# Allegro board buddy_lay_rev1.brd (continued)
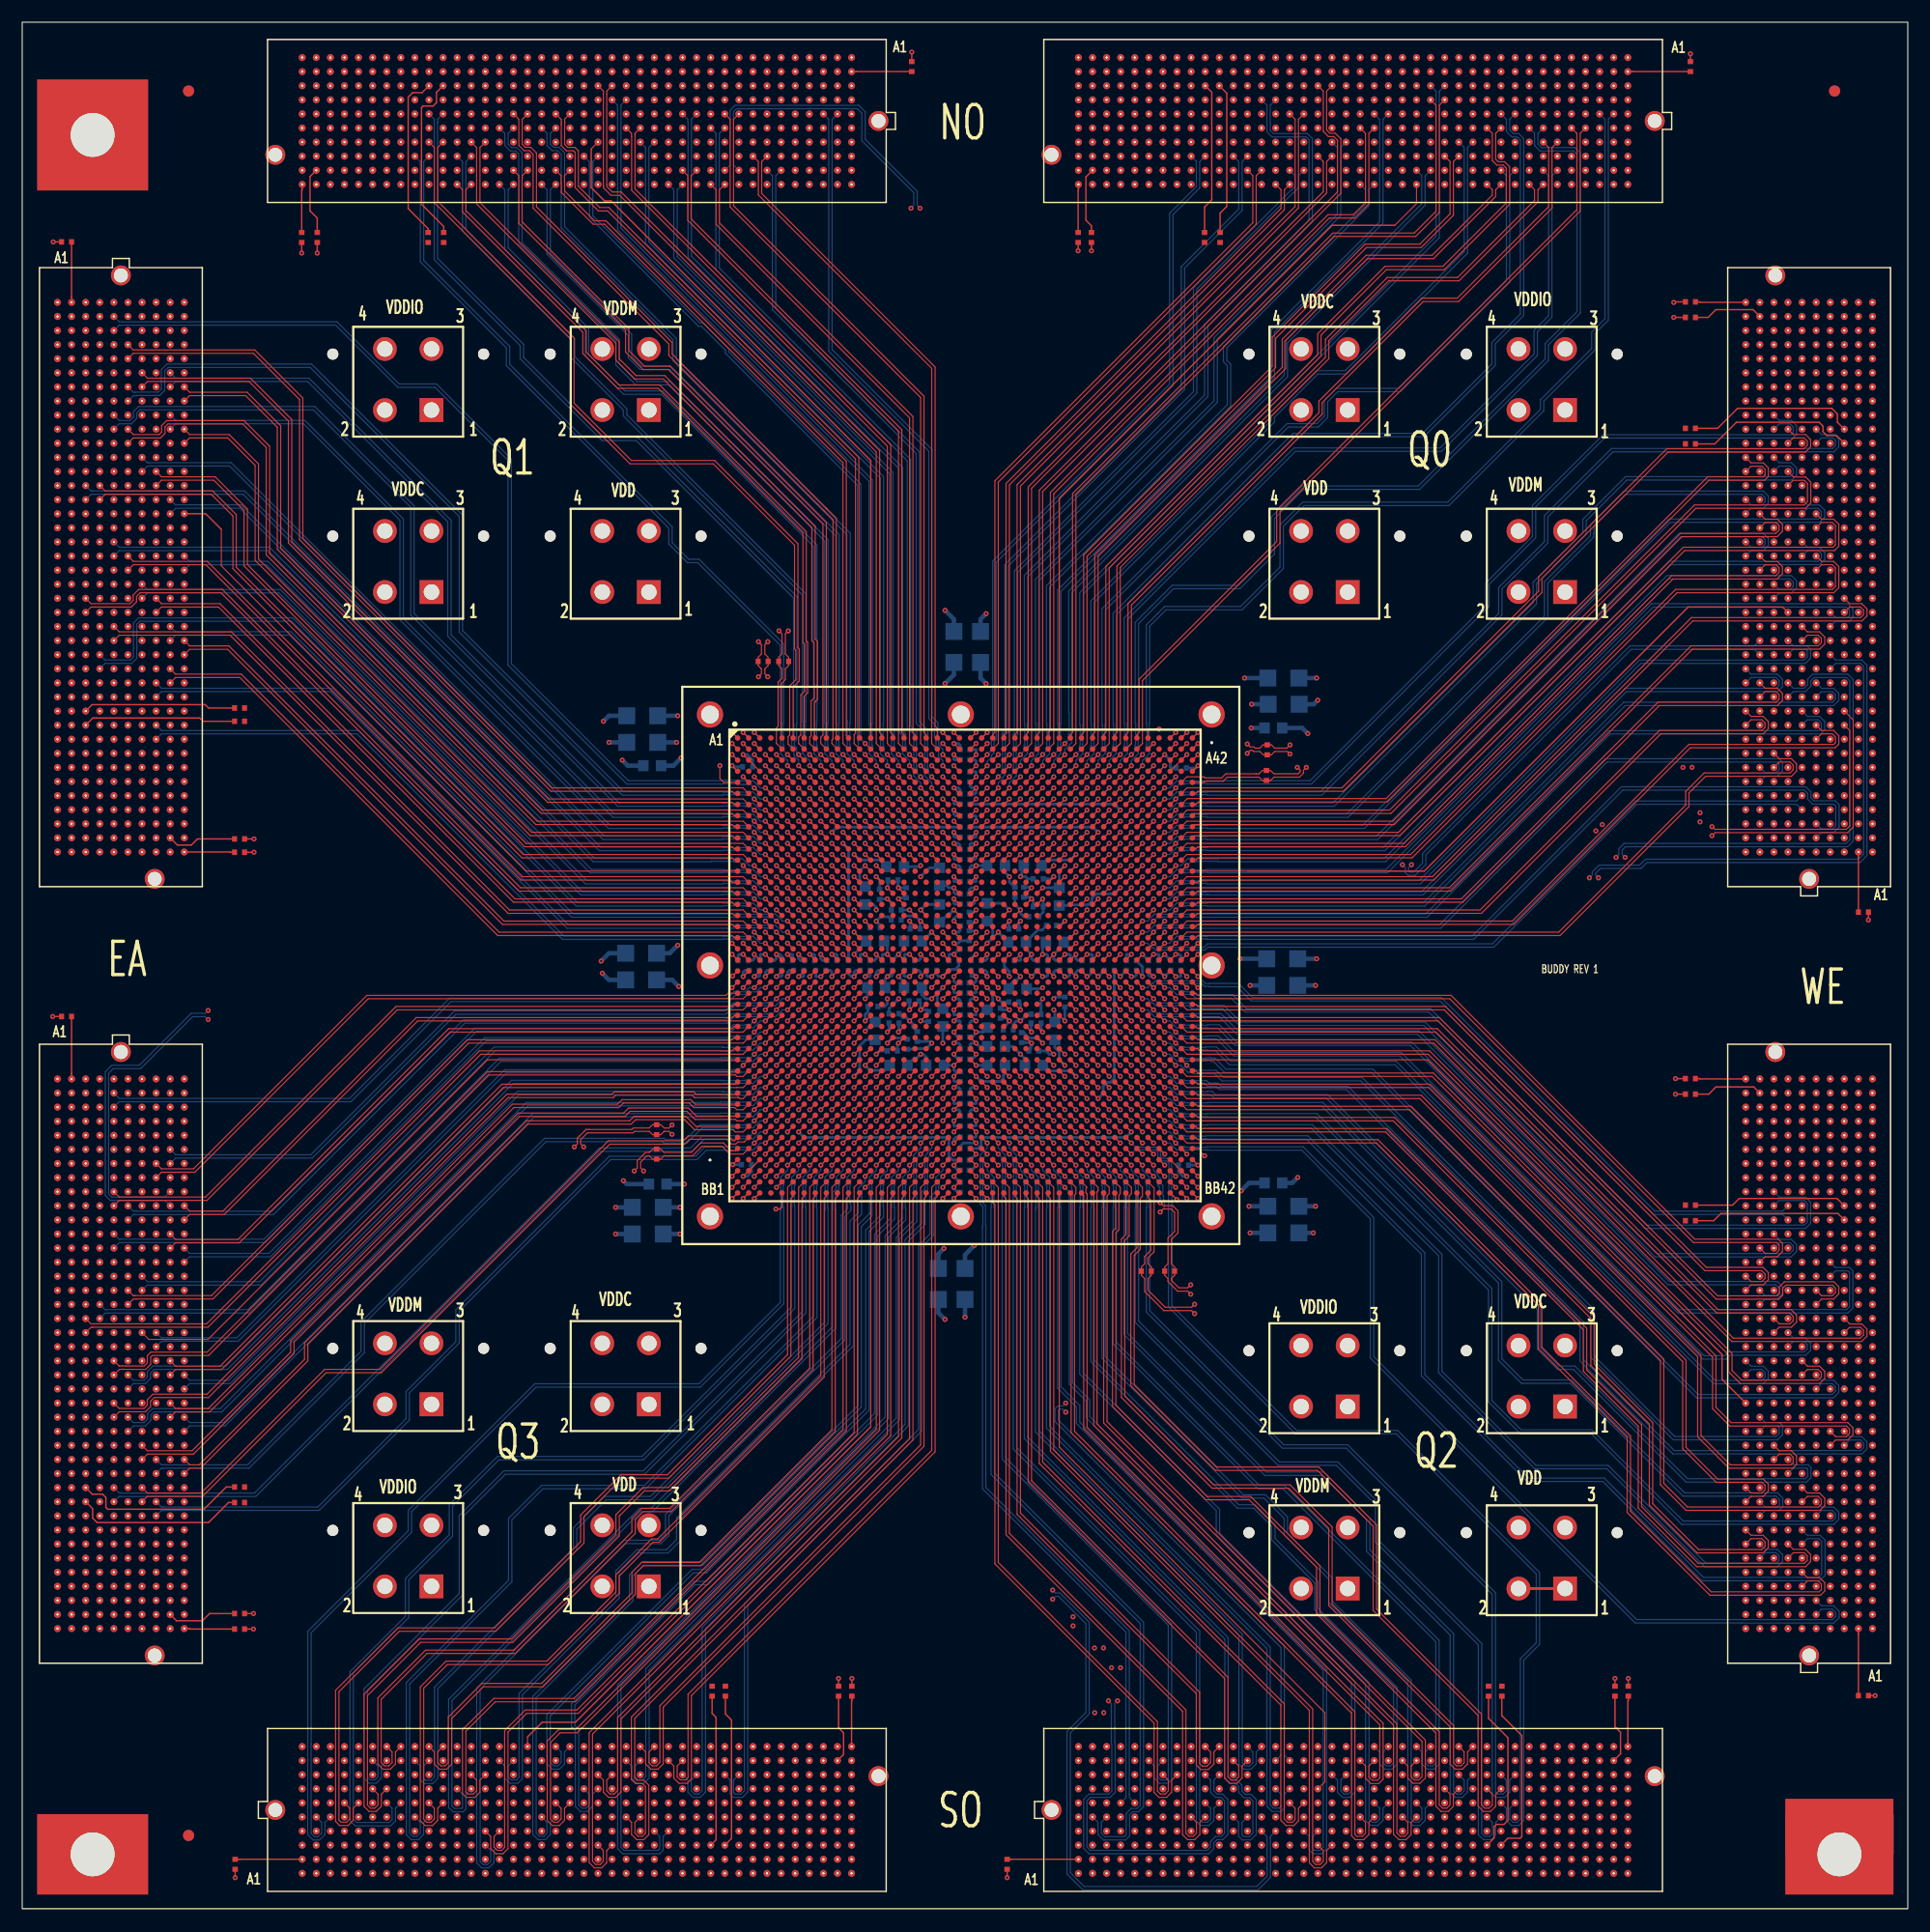
[diagram p0: board, top side]
## Routing (per net, layer and track width the routed paths; a pad name or vN(x,y) marks a point on that pad's centre or on a via; arc(x,y) is an arc through that point) (continued)
  SIGNAL_L12 w0.081: J6.H10 37.14,11.61 37.14,10.75 37.16,10.74 37.16,10.48 37.62,10.02 38.27,10.02 38.75,10.5 38.75,30.23 39.6,31.08 39.6,35.35 46.3,42.05 66.97,42.05 72.67,47.75 72.67,62.66 72.63,62.7 72.63,67.15 72.63,67.16 72.63,67.2 72.67,67.23 72.67,67.67 v1(73,68)
SO_P115: length 83.9
  TOP w0.127: U1.AT10 v1(73,70)
  SIGNAL_L3 w0.081: v1(73,70) 72.66,69.66 72.66,69.22 72.63,69.19 72.63,62.65 72.66,62.62 72.66,50.9 57.79,36.02 51.19,36.02 49.83,34.66 49.83,31.91 37.46,19.55 37.46,9.21 37,8.75 36.35,8.75 35.87,9.22 35.87,10.34 35.4,10.8
SO_P116: length 80
  TOP w0.102: U1.BB9 72.5,64.2 72.3,64 72.3,47.9 57.42,33.02 56.87,33.02 53.83,29.98 53.83,28.42 47.41,22 38.33,22 36.2,19.87 36.2,8.05 36.45,7.8 36.87,7.8 37.16,8.09 37.16,9.05 J6.F10
SO_P117: length 83.6
  TOP w0.127: U1.AY9 v1(72,66)
  BOTTOM w0.102: v1(72,66) 71.68,65.68 71.68,65.22 71.62,65.16 71.62,63.2 71.65,63.17 71.65,53.27 56.23,37.85 46.95,37.85 44.15,35.04 44.15,29.47 34.94,20.25 34.94,6.8 35.21,6.53 35.6,6.53 35.89,6.82 35.89,7.78 35.4,8.27
SO_P118: length 88.6
  TOP w0.127: U1.AV9 v1(72,68)
  SIGNAL_L3 w0.081: J6.D8 34.6,6.53 34.6,5.55 34.32,5.27 33.94,5.27 33.68,5.54 33.68,8.48 33.94,8.75 34.46,8.75 34.95,9.23 34.95,19.83 45.03,29.91 45.03,36.26 46.19,37.42 57.09,37.42 71.66,52 71.66,60.54 71.63,60.58 71.63,67.19 71.66,67.22 71.66,67.66 v1(72,68)
SO_P119: length 99.2
  TOP w0.127: U1.AT9 v1(72,70)
  SIGNAL_L12 w0.081: 36.67,5.72 37.13,5.27 37.13,4.27 36.86,4 36.48,4 36.22,4.27 36.22,25.59 35.08,26.73 35.08,36.46 41.84,43.22 66.04,43.22 71.67,48.85 71.67,64.61 71.63,64.65 71.63,69.15 71.63,69.16 71.63,69.2 71.67,69.23 71.67,69.67 v1(72,70)
SO_P120: length 76.5
  TOP w0.102: J6.K7 33.35,14.13 33.35,13.17 33.06,12.88 32.65,12.88 32.37,13.16 32.37,18.87 36.5,23 44.45,23 55.27,33.82 55.27,35.06 55.99,35.78 58.51,35.78 71.3,48.57 71.3,64 71.5,64.2 U1.BB8
SO_P121: length 81.6
  TOP w0.127: U1.AY8 v1(71,66)
  BOTTOM w0.102: v1(71,66) 70.68,65.68 70.68,65.22 70.62,65.16 70.62,63.2 70.65,63.17 70.65,53.68 56.12,39.15 43.55,39.15 39.7,35.3 39.7,28.27 31.13,19.69 31.13,11.88 31.4,11.61 31.79,11.61 32.08,11.9 32.08,12.86 31.59,13.35
SO_P122: length 83
  TOP w0.127: U1.AV8 v1(71,68)
  SIGNAL_L3 w0.081: v1(71,68) 70.66,67.66 70.66,67.22 70.63,67.19 70.63,60.65 70.66,60.62 70.66,53.4 56.52,39.25 46.12,39.25 43.78,36.91 43.78,31.21 32.41,19.84 32.41,10.59 32.65,10.35 33.05,10.35 33.33,10.63 33.33,11.61 J6.H7
SO_P123: length 80.5
  TOP w0.102: 31.59,10.8 32.08,10.32 32.08,9.36 31.79,9.07 31.4,9.07 31.13,9.34 31.13,19.19 35.93,24 44.23,24 53.83,33.6 53.83,35.38 56.1,37.65 58.38,37.65 70.3,49.57 70.3,64 70.5,64.2 U1.BB7
SO_P124: length 88.4
  TOP w0.127: U1.AY7 v1(70,66)
  BOTTOM w0.102: v1(70,66) 69.68,65.68 69.68,65.22 69.62,65.16 69.62,63.33 69.65,63.29 69.65,54.1 56,40.45 42.98,40.45 38.8,36.27 38.8,33.57 34.85,29.62 34.85,26.22 29.85,21.22 29.85,8.07 30.16,7.77 33.09,7.77 33.35,8.03 33.35,9.05 J6.F7
SO_P125: length 87.2
  TOP w0.127: U1.AV7 v1(70,68)
  SIGNAL_L3 w0.081: v1(70,68) 69.66,67.66 69.66,67.22 69.63,67.19 69.63,60.58 69.66,60.54 69.66,55.3 56.09,41.72 45.24,41.72 39.5,35.98 39.5,28.68 31.11,20.3 31.11,6.83 31.4,6.54 31.78,6.54 32.06,6.82 32.06,7.8 31.59,8.27
SO_P126: length 83.9
  TOP w0.102: J6.F4 29.54,9.05 29.54,8.09 29.25,7.8 28.75,7.8 28.56,7.99 28.56,19.56 34,25 42.7,25 50.65,32.95 50.65,35.35 54.1,38.8 58.3,38.8 69.3,49.8 69.3,64 69.5,64.2 U1.BB6
SO_P127: length 89.3
  TOP w0.127: U1.AY6 v1(69,66)
  BOTTOM w0.102: v1(69,66) 68.68,65.68 68.68,65.22 68.62,65.16 68.62,63.2 68.65,63.17 68.65,54.51 61.14,47 46.33,47 35.1,35.77 35.1,33.92 26.05,24.87 26.05,14.82 26.05,14.81 26.05,6.8 26.35,6.5 26.68,6.5 27,6.82 27,7.78 26.51,8.27
SO_VADJ0: length 9.1
  TOP w0.127: R120.2 v1(73.6,20.75) ; R121.2 v1(74.8,20.75)
  PWR_L7 w0.254: 73.5,7.79 J6.E39 ; J6.E39 73.5,8.74 ; J6.E39 73.03,8.27 ; J6.E39 73.98,8.27 ; J6.G39 73.98,10.8 ; J6.G39 73.03,10.8 ; J6.G39 73.5,11.28 ; J6.G39 73.5,10.33 ; 74.77,12.07 75.25,12.07 ; 74.77,12.07 74.77,12.55 ; 74.77,12.07 74.77,11.6 ; 74.77,12.07 74.3,12.07 ; 74.77,9.54 75.25,9.54 ; 74.77,9.54 74.77,10.01 ; 74.77,9.54 74.77,9.06 ; 74.77,9.54 74.3,9.54
SO_VADJ1: length 9.1
  TOP w0.127: R125.2 v1(143.6,20.75) ; R126.2 v1(144.8,20.75)
  PWR_L7 w0.254: J5.G39 143.49,11.28 ; J5.G39 143.96,10.8 ; J5.G39 143.49,10.33 ; J5.G39 143.01,10.8 ; 143.49,7.79 J5.E39 ; J5.E39 143.01,8.27 ; J5.E39 143.96,8.27 ; J5.E39 143.49,8.74 ; 144.76,9.54 145.23,9.54 ; 144.76,9.54 144.76,9.06 ; 144.76,9.54 144.76,10.01 ; 144.76,9.54 144.28,9.54 ; 144.76,12.07 145.23,12.07 ; 144.76,12.07 144.76,11.6 ; 144.76,12.07 144.28,12.07 ; 144.76,12.07 144.76,12.55
WE_3P3V: length 16.6
  TOP w0.127: R134.2 v1(167.05,19.2) ; R129.2 v1(166.45,89.1)
  PWR_L8 w0.254: J3.D36 163.48,139.68 ; J3.D36 162.53,139.68 ; J3.D36 163,139.2 ; J3.D36 163,140.15 ; 163,69.22 J4.D36 ; J4.D36 163.48,69.69 ; J4.D36 163,70.17 ; J4.D36 162.53,69.69 ; 163.8,73.5 J4.C39 ; J4.C39 164.28,73.03 ; J4.C39 164.28,73.98 ; J4.C39 164.75,73.5 ; J3.C39 164.28,143.96 ; J3.C39 164.28,143.01 ; J3.C39 163.8,143.49 ; J3.C39 164.75,143.49 ; 163,144.28 J3.D40 ; J3.D40 163.48,144.76 ; J3.D40 163,145.23 ; J3.D40 162.53,144.76 ; 163,74.3 J4.D40 ; J4.D40 162.53,74.77 ; J4.D40 163,75.25 ; J4.D40 163.48,74.77 ; J3.D38 163.48,142.22 ; J3.D38 162.53,142.22 ; J3.D38 163,141.74 ; J3.D38 163,142.69 ; 162.53,72.23 J4.D38 ; J4.D38 163,71.76 ; J4.D38 163.48,72.23 ; J4.D38 163,72.71
WE_12P0V: length 7.7
  PWR_L7 w0.254: 163.8,138.41 J3.C35 ; J3.C35 164.28,138.88 ; J3.C35 164.75,138.41 ; J3.C35 164.28,137.93 ; 163.8,70.96 J4.C37 ; J4.C37 164.28,70.49 ; J4.C37 164.75,70.96 ; J4.C37 164.28,71.44 ; J4.C35 164.28,68.9 ; J4.C35 164.75,68.42 ; J4.C35 164.28,67.95 ; J4.C35 163.8,68.42 ; J3.C37 164.75,140.95 ; J3.C37 164.28,140.47 ; J3.C37 163.8,140.95 ; J3.C37 164.28,141.42
WE_CTRL0: length 177.4
  TOP w0.102: v1(106.6,67.85) 106.25,68.2 106.25,68.4 106.15,68.5 U1.AV42
  SIGNAL_L5 w0.081: 110.5,67.85 v1(106.6,67.85)
  SIGNAL_L5 w0.083: J3.J30 157.3,132.7 166.9,132.7 167.27,132.33 167.27,42.83 166.9,42.46 135.19,42.46 132.9,44.75 132.9,51.6 116.65,67.85 110.5,67.85
WE_CTRL1: length 183.4
  TOP w0.127: U1.AV41 v1(105,68)
  SIGNAL_L5 w0.081: 110.5,67.1 106.6,67.1 105.7,68 v1(105,68)
  SIGNAL_L5 w0.083: J3.K31 156.06,134 166.9,134 167.74,133.16 167.74,42.03 166.76,41.05 135.5,41.05 132.3,44.25 132.3,51.54 116.74,67.1 110.5,67.1
WE_CTRL2: length 186.1
  TOP w0.127: U1.AV40 v1(104,68)
  SIGNAL_L5 w0.081: v1(104,68) 103.6,67.6 103.6,65.7 103.9,65.4 110.5,65.4
  SIGNAL_L5 w0.083: 161.74,135.87 162.32,136.45 167.1,136.45 168.66,134.89 168.66,40.41 166.85,38.6 135.95,38.6 126.7,47.85 126.7,54.05 115.35,65.4 110.5,65.4
WE_CTRL3: length 185.2
  TOP w0.127: U1.AV39 v1(103,68)
  SIGNAL_L5 w0.081: v1(103,68) 103.55,68.55 104.2,68.55 104.5,68.25 104.5,66.85 104.9,66.45 110.5,66.45
  SIGNAL_L5 w0.083: J3.F34 161.05,136.55 161.05,135.7 161.6,135.15 166.91,135.15 168.2,133.86 168.2,41.22 166.98,40 135.5,40 127.4,48.1 127.4,54.4 115.35,66.45 110.5,66.45
WE_HS_C2M_N0: length 116.9
  TOP w0.102: v1(115.77,102.85) 115.52,102.59 115.52,102.32 115.16,101.97 112.85,101.97 112.55,101.67 R97.1 111.81,101.67 111.51,101.97 111.37,101.97 111.37,101.97 108.64,101.97 108.27,101.6 106.64,101.6 106.54,101.5 U1.E42
  SIGNAL_L12 w0.081: J3.C2 164.74,96.97 167.48,96.97 168.49,97.98 168.49,129.47 167.66,130.3 147.34,130.3 136.65,119.61 136.65,116.26 121.17,100.78 116.05,100.78 115.53,101.3 115.53,102.61 v1(115.77,102.85)
WE_HS_C2M_P0: length 117.1
  TOP w0.102: U1.E41 105,102 106.54,102 106.64,101.9 108.14,101.9 108.51,102.27 111.24,102.27 111.24,102.27 111.51,102.27 111.81,102.57 R97.2 112.55,102.57 112.85,102.27 115.03,102.27 115.21,102.45 115.21,102.59 v1(114.96,102.85)
  SIGNAL_L12 w0.081: v1(114.96,102.85) 115.2,102.61 115.2,101.16 115.91,100.45 121.31,100.45 136.98,116.12 136.98,119.47 147.48,129.97 167.52,129.97 168.16,129.33 168.16,98.11 167.35,97.3 164.74,97.3 J3.C3
WE_HS_M2C_N0: length 115.2
  TOP w0.102: v1(110.45,104.12) 110.72,104.39 110.92,104.39 111.03,104.28 111.58,104.28 111.88,103.98 R98.1 112.62,103.98 112.92,104.28 114.08,104.28 v1(114.3,104.06)
  TOP w0.127: U1.E40 v1(104,102)
  SIGNAL_L3 w0.081: v1(110.45,104.12) 110.19,104.37 109.33,104.37 108.29,103.34 106.23,103.34 106.19,103.37 103.85,103.37 103.63,103.15 103.63,102.63 103.67,102.59 103.67,102.33 v1(104,102) ; J3.C7 164.74,102.38 165.77,102.38 166.01,102.62 166.01,105.7 166.49,106.17 167.02,106.17 168.21,107.36 168.21,131.94 167.63,132.52 153.32,132.52 147.77,126.97 147.77,122.06 130.01,104.3 114.54,104.3 v1(114.3,104.06)
WE_HS_M2C_P0: length 116.8
  TOP w0.102: v1(110.45,104.96) 110.72,104.69 111.05,104.69 111.15,104.58 111.58,104.58 111.88,104.88 R98.2 112.62,104.88 112.92,104.58 114.01,104.58 v1(114.3,104.87)
  TOP w0.127: U1.E39 v1(103,102)
  SIGNAL_L3 w0.081: v1(114.3,104.87) 114.54,104.63 129.87,104.63 147.44,122.2 147.44,127.11 153.18,132.85 167.77,132.85 168.54,132.08 168.54,107.22 167.16,105.84 166.63,105.84 166.34,105.56 166.34,102.48 165.9,102.05 164.74,102.05 J3.C6 ; v1(103,102) 103.34,102.34 103.34,102.59 103.37,102.63 103.37,103.26 103.74,103.63 106.19,103.63 106.23,103.67 108.16,103.67 109.19,104.7 110.19,104.7 v1(110.45,104.96)
WE_N0: length 75.9
  TOP w0.127: U1.F40 v1(104,101)
  BOTTOM w0.102: v1(104,101) 104.32,101.32 104.78,101.32 104.84,101.38 106.8,101.38 106.83,101.35 116.23,101.35 132.25,117.37 132.25,119.34 136.46,123.54 136.46,126.32 142.66,132.52 159.64,132.52 159.97,132.85 159.97,133.65 159.5,134.11 158.41,134.11 J3.H32
WE_N1: length 72.5
  TOP w0.102: U1.F42 105.8,100.5 106,100.7 119.11,100.7 137.01,118.6 137.01,119.88 148.39,131.25 160.76,131.25 161.24,131.74 161.24,132.38 160.77,132.84 159.68,132.84 J3.G31
WE_N2: length 78
  TOP w0.127: U1.G38 v1(102,100)
  SIGNAL_L12 w0.081: v1(102,100) 102.33,100.33 102.77,100.33 102.8,100.37 102.84,100.37 102.85,100.37 107.3,100.37 107.34,100.33 109.24,100.33 114.15,105.24 114.21,105.24 129.19,120.22 133.45,120.22 148.3,135.07 161.91,135.07 162.19,134.79 162.19,134.41 161.91,134.13 160.93,134.13 J3.F32
WE_N3: length 79.5
  TOP w0.127: U1.G40 v1(104,100)
  BOTTOM w0.102: 161.74,133.33 162.22,132.84 163.37,132.84 163.78,132.43 163.78,131.74 163.33,131.28 143.41,131.28 137.54,125.41 137.54,123.06 133.41,118.93 133.41,116.59 117.17,100.35 106.83,100.35 106.8,100.38 104.84,100.38 104.78,100.32 104.32,100.32 v1(104,100)
WE_N4: length 67.4
  TOP w0.102: U1.G42 105.8,99.5 106.04,99.74 123.09,99.74 152.08,128.73 157.09,128.73 157.43,129.07 157.43,129.84 156.98,130.29 155.88,130.29 J3.K29
WE_N5: length 91.3
  TOP w0.127: U1.H38 v1(102,99)
  SIGNAL_L3 w0.081: v1(102,99) 102.34,99.34 102.78,99.34 102.81,99.37 109.35,99.37 109.38,99.34 112.7,99.34 114.59,101.22 133.72,101.22 144.7,112.21 163.32,112.21 163.82,112.7 163.82,119.79 163.44,120.17 161.55,120.17 161.28,120.44 161.28,128.58 160.82,129.03 157.6,129.03 157.59,129.02 157.32,129.02 157.14,129.03 J3.J28
WE_N6: length 74.1
  TOP w0.127: U1.H40 v1(104,99)
  BOTTOM w0.102: J3.H29 158.41,130.3 159.5,130.3 159.97,129.84 159.97,129.2 159.52,128.74 144.67,128.74 141,125.07 141,123.88 136.52,119.4 136.52,117.57 118.3,99.35 106.83,99.35 106.8,99.38 104.84,99.38 104.78,99.32 104.32,99.32 v1(104,99)
WE_N7: length 71.8
  TOP w0.102: U1.H42 105.7,98.7 123.4,98.7 150.9,126.2 160.78,126.2 161.26,126.67 161.26,128.55 160.79,129.02 159.69,129.02 J3.G28
WE_N8: length 81.2
  TOP w0.127: U1.J36 v1(100,98)
  SIGNAL_L5 w0.081: J3.F29 160.92,130.33 161.92,130.33 162.22,130.62 162.22,131.08 162.05,131.25 155.32,131.25 155.31,131.24 155.2,131.24 154.93,130.98 154.93,130.86 124.4,100.33 110.36,100.33 110.29,100.41 105.76,100.41 105.73,100.37 99.85,100.37 99.63,100.15 99.63,98.77 99.67,98.73 99.67,98.33 v1(100,98)
WE_N9: length 79.2
  TOP w0.127: U1.J38 v1(102,98)
  SIGNAL_L5 w0.081: v1(102,98) 101.67,98.33 101.67,98.64 101.63,98.68 101.63,99.15 101.85,99.37 105.62,99.37 105.65,99.33 124.85,99.33 152.97,127.46 163.33,127.46 163.79,127.92 163.79,128.57 163.61,128.76 163.32,129.05 162.2,129.05 161.74,129.52
WE_N10: length 71
  TOP w0.127: U1.J40 v1(104,98)
  BOTTOM w0.102: J3.K26 155.87,126.49 156.83,126.49 157.12,126.78 157.12,127.17 156.85,127.44 144.54,127.44 141.7,124.6 141.7,123.9 141.69,123.89 141.69,123.6 137.54,119.46 137.54,116.35 119.54,98.35 106.83,98.35 106.8,98.38 104.84,98.38 104.78,98.32 104.32,98.32 v1(104,98)
WE_N11: length 67.3
  TOP w0.102: J3.J25 157.15,125.21 158.25,125.21 158.7,124.76 158.7,124.12 158.22,123.63 149.63,123.63 123.7,97.7 105.7,97.7 U1.J42
WE_N12: length 108.7
  TOP w0.127: U1.K36 v1(100,97)
  SIGNAL_L3 w0.081: J3.H26 158.38,126.52 159.38,126.52 159.68,126.81 159.68,127.25 159.49,127.43 156.27,127.43 155.87,127.83 155.87,129.97 156.2,130.3 162.06,130.3 162.52,129.84 162.52,121.72 162.83,121.41 164.6,121.41 165.06,120.95 165.06,110.14 164.58,109.65 144.67,109.65 134.39,99.37 115.19,99.37 113.15,97.34 107.38,97.34 107.35,97.37 100.81,97.37 100.78,97.34 100.34,97.34 v1(100,97)
WE_N13: length 90.6
  TOP w0.127: U1.K38 v1(102,97)
  SIGNAL_L12 w0.081: J3.G25 159.66,125.24 166.99,125.24 167.37,125.61 167.37,128.34 167,128.7 154.57,128.7 123.2,97.33 107.34,97.33 107.3,97.37 102.85,97.37 102.84,97.37 102.8,97.37 102.77,97.33 102.33,97.33 v1(102,97)
WE_N14: length 74.1
  TOP w0.127: U1.K40 v1(104,97)
  BOTTOM w0.102: v1(104,97) 104.32,97.32 104.78,97.32 104.84,97.38 106.8,97.38 106.83,97.35 121,97.35 148.58,124.93 162.05,124.93 162.51,125.39 162.51,126.03 162.04,126.49 160.95,126.49 J3.F26
WE_N15: length 73.6
  TOP w0.102: U1.K42 105.7,96.7 124.2,96.7 149.89,122.39 163.39,122.39 163.78,122.78 163.78,124.76 163.31,125.22 162.22,125.22 161.74,125.71
WE_N16: length 94.6
  TOP w0.127: U1.L36 v1(100,96)
  SIGNAL_L3 w0.081: J3.D27 163.49,127.76 165.87,127.76 166.33,127.3 166.33,108.87 165.85,108.38 147.2,108.38 136.89,98.07 115.79,98.07 114.05,96.34 107.42,96.34 107.38,96.37 100.81,96.37 100.78,96.34 100.34,96.34 v1(100,96)
WE_N17: length 80.9
  TOP w0.127: U1.L38 v1(102,96)
  SIGNAL_L12 w0.081: J3.C27 164.74,127.78 165.86,127.78 166.33,127.3 166.33,126.65 165.85,126.16 153.68,126.16 123.85,96.33 107.34,96.33 107.3,96.37 102.85,96.37 102.84,96.37 102.8,96.37 102.77,96.33 102.33,96.33 v1(102,96)
WE_N18: length 67.9
  TOP w0.127: U1.L40 v1(104,96)
  BOTTOM w0.102: v1(104,96) 104.32,96.32 104.78,96.32 104.84,96.38 106.8,96.38 106.83,96.35 122.22,96.35 149.51,123.63 156.85,123.63 157.12,123.36 157.12,122.97 156.83,122.68 155.87,122.68 J3.K23
WE_N19: length 66.6
  TOP w0.102: J3.J22 157.15,121.4 158.25,121.4 158.7,120.95 158.7,120.31 158.22,119.83 148.83,119.83 124.7,95.7 106,95.7 105.8,95.5 U1.L42
WE_N20: length 125.7
  TOP w0.127: U1.M36 v1(100,95)
  SIGNAL_L3 w0.081: v1(100,95) 100.34,95.34 100.78,95.34 100.81,95.37 107.35,95.37 107.38,95.34 120.4,95.34 122.19,97.12 138.07,97.12 148.09,107.14 167.14,107.14 167.6,107.6 167.6,131.11 167.14,131.58 154.93,131.58 154.55,131.2 154.55,124 154.9,123.65 159.47,123.65 159.68,123.44 159.68,122.74 159.64,122.71 158.38,122.71 J3.H23
WE_N21: length 73.6
  TOP w0.127: U1.M38 v1(102,95)
  SIGNAL_L12 w0.081: J3.G22 159.66,121.43 160.78,121.43 161.25,120.95 161.25,120.3 160.79,119.84 149.51,119.84 125.01,95.33 107.34,95.33 107.3,95.37 102.85,95.37 102.84,95.37 102.8,95.37 102.77,95.33 102.33,95.33 v1(102,95)
WE_N22: length 73.3
  TOP w0.127: U1.M40 v1(104,95)
  BOTTOM w0.102: J3.F23 160.95,122.68 162.04,122.68 162.51,122.22 162.51,121.58 162.05,121.12 148.63,121.12 122.86,95.35 106.83,95.35 106.8,95.38 104.84,95.38 104.78,95.32 104.32,95.32 v1(104,95)
WE_N23: length 72.8
  TOP w0.102: 161.74,121.9 162.22,121.41 163.31,121.41 163.78,120.95 163.78,119.04 163.33,118.58 149.19,118.58 125.31,94.7 106,94.7 105.8,94.5 U1.M42
WE_N24: length 83.3
  TOP w0.127: U1.N32 v1(96,94)
  SIGNAL_L5 w0.081: J3.D21 163.47,120.16 164.59,120.16 165.06,119.68 165.06,119.03 164.6,118.57 147.17,118.57 122.93,94.33 105.48,94.33 105.44,94.37 96.85,94.37 96.81,94.34 96.49,94.34 96.46,94.3 96.3,94.3 v1(96,94)
WE_N25: length 100.2
  TOP w0.127: U1.N35 v1(99,94)
  SIGNAL_L3 w0.081: v1(142.45,97.7) 142.11,97.7 141.88,97.93 141.03,97.93 138.45,95.35 123.68,95.35 122.13,93.8 106.5,93.8 106.37,93.67 105.45,93.67 105.42,93.63 99.85,93.63 99.75,93.73 99.55,93.73 99.28,94 v1(99,94)
  SIGNAL_L5 w0.081: J3.C23 164.74,122.7 165.86,122.7 166.33,122.22 166.33,97.44 165.87,96.98 153.87,96.98 151.5,99.35 143.15,99.35 142.03,98.23 142.03,97.89 142.22,97.7 v1(142.45,97.7)
WE_N26: length 91.8
  TOP w0.127: U1.N37 v1(101,94)
  SIGNAL_L3 w0.081: v1(101,94) 101.34,94.34 101.78,94.34 101.81,94.37 108.35,94.37 108.38,94.34 121.44,94.34 123.1,96 138.45,96 143.87,101.42 149.71,101.42 150.3,102.01 150.3,102.61 v1(150.54,102.85)
  SIGNAL_L10 w0.081: v1(150.54,102.85) 150.3,103.09 150.3,105.65 154.33,109.68 164.6,109.68 165.06,110.14 165.06,115.87 164.58,116.36 160.28,116.36 160.01,116.63 160.01,118.49 159.61,118.89 155.85,118.89 J3.K20
WE_N27: length 68.8
  TOP w0.127: U1.N39 v1(103,94)
  SIGNAL_L12 w0.081: v1(103,94) 103.33,94.33 103.77,94.33 103.8,94.37 103.84,94.37 103.85,94.37 108.3,94.37 108.34,94.33 123.7,94.33 123.89,94.52 125.59,94.52 149.61,118.54 158.11,118.54 158.38,118.28 158.38,117.9 158.1,117.62 157.12,117.62 J3.J19
WE_N28: length 68.6
  TOP w0.127: U1.N41 v1(105,94)
  BOTTOM w0.102: v1(105,94) 105.32,94.32 105.78,94.32 105.84,94.38 107.8,94.38 107.83,94.35 122.93,94.35 148.41,119.82 159.39,119.82 159.66,119.55 159.66,119.16 159.39,118.89 158.39,118.89 J3.H20
WE_N29: length 75.7
  TOP w0.127: U1.P31 v1(95,93)
  SIGNAL_L10 w0.081: 110.5,92.5 95.5,92.5 v1(95,93)
  SIGNAL_L10 w0.083: J3.G19 158.56,117.45 153.8,117.45 128.85,92.5 110.5,92.5
WE_N30: length 80.8
  TOP w0.127: U1.P33 v1(97,93)
  SIGNAL_L10 w0.081: J3.F20 160.93,118.89 161.91,118.89 162.19,119.17 162.19,119.55 161.92,119.81 149.43,119.81 123.95,94.34 105.57,94.34 105.53,94.37 96.85,94.37 96.63,94.15 96.63,93.75 96.67,93.72 96.67,93.33 v1(97,93)
WE_N31: length 75.4
  TOP w0.127: U1.P38 v1(102,93)
  SIGNAL_L12 w0.081: 161.74,118.09 162.2,117.62 163.32,117.62 163.79,117.14 163.79,116.49 163.31,116 148.6,116 125.93,93.33 107.34,93.33 107.3,93.37 102.85,93.37 102.84,93.37 102.8,93.37 102.77,93.33 102.33,93.33 v1(102,93)
WE_N32: length 74.2
  TOP w0.127: U1.P40 v1(104,93)
  BOTTOM w0.102: v1(104,93) 104.32,93.32 104.78,93.32 104.84,93.38 106.8,93.38 106.83,93.35 123.09,93.35 147.04,117.3 164.46,117.3 164.74,117.01 164.74,116.49 164.58,116.33 163.49,116.33 J3.D18
WE_N33: length 73.8
  TOP w0.102: J3.C19 164.76,117.6 165.85,117.6 166.32,117.14 166.32,116.5 165.87,116.04 150.61,116.04 127.27,92.7 106.2,92.7 106,92.5 U1.P42
WE_N34: length 74.4
  TOP w0.127: U1.R32 v1(96,92)
  SIGNAL_L5 w0.081: J3.K17 155.85,115.08 156.97,115.08 157.44,114.6 157.44,113.95 156.96,113.47 153.84,113.47 132.7,92.33 105.48,92.33 105.44,92.37 96.85,92.37 96.81,92.34 96.49,92.34 96.46,92.3 96.3,92.3 v1(96,92)
WE_N35: length 70.7
  TOP w0.127: U1.R34 v1(98,92)
  SIGNAL_L3 w0.081: v1(98,92) 98.34,92.34 98.78,92.34 98.81,92.37 105.35,92.37 105.38,92.34 124.13,92.34 125.01,93.21 125.01,93.84 v1(125.25,94.08)
  BOTTOM w0.102: J3.J16 156.17,113.79 144.94,113.79 126.25,95.1 126.25,94.22 125.45,93.42 125.08,93.42 125,93.5 125,93.82 v1(125.25,94.08)
WE_N36: length 70.9
  TOP w0.127: U1.R38 v1(102,92)
  SIGNAL_L12 w0.081: J3.H17 158.39,115.08 159.51,115.08 159.98,114.6 159.98,113.95 159.52,113.49 147.3,113.49 126.15,92.33 107.34,92.33 107.3,92.37 102.85,92.37 102.84,92.37 102.8,92.37 102.77,92.33 102.33,92.33 v1(102,92)
WE_N37: length 69.7
  TOP w0.127: U1.R40 v1(104,92)
  BOTTOM w0.102: J3.G16 159.68,113.79 160.93,113.79 161.24,113.48 161.24,112.69 160.77,112.22 145.93,112.22 126.06,92.35 106.83,92.35 106.8,92.38 104.84,92.38 104.78,92.32 104.32,92.32 v1(104,92)
WE_N38: length 69.4
  TOP w0.102: U1.R42 105.8,91.5 106,91.7 128.78,91.7 150.58,113.5 162.06,113.5 162.51,113.96 162.51,114.6 162.04,115.06 160.95,115.06 J3.F17
WE_N39: length 80.6
  TOP w0.127: U1.T32 v1(96,91)
  SIGNAL_L10 w0.081: v1(96,91) 96.3,91.3 96.52,91.3 96.59,91.37 105.34,91.37 105.38,91.34 130.04,91.34 150.9,112.2 163.31,112.2 163.79,112.68 163.79,113.33 163.32,113.81 162.2,113.81 161.74,114.28
WE_N40: length 92.5
  TOP w0.127: U1.T34 v1(98,91)
  SIGNAL_L3 w0.081: v1(142.11,92.9) 141.83,92.63 141.83,91.97 141.17,91.3 105.28,91.3 105.21,91.37 98.81,91.37 98.78,91.34 98.34,91.34 v1(98,91)
  BOTTOM w0.102: v1(142.11,92.9) 141.85,93.15 141.85,93.3 142.29,93.74 145.95,93.74 146.48,94.27 165.68,94.27 166.32,94.91 166.32,112.06 165.85,112.52 163.49,112.52 J3.D15
WE_N41: length 80.1
  TOP w0.127: U1.T36 v1(100,91)
  SIGNAL_L12 w0.081: v1(100,91) 100.33,91.33 100.77,91.33 100.8,91.37 100.84,91.37 100.85,91.37 105.3,91.37 105.34,91.33 126.55,91.33 147.41,112.19 163.19,112.19 163.46,111.93 163.46,111.27 163.81,110.92 165.95,110.92 166.33,111.31 166.33,112.06 165.87,112.53 164.76,112.53 J3.C15
WE_N42: length 67.8
  TOP w0.127: U1.T40 v1(104,91)
  BOTTOM w0.102: v1(104,91) 104.32,91.32 104.78,91.32 104.84,91.38 106.8,91.38 106.83,91.35 106.86,91.35 106.89,91.38 107.04,91.38 107.07,91.35 126.3,91.35 144.63,109.68 158.26,109.68 158.7,110.12 158.7,110.79 158.23,111.25 155.87,111.25 J3.K14
WE_N43: length 63.9
  TOP w0.102: J3.J13 157.14,109.98 158.23,109.98 158.7,109.52 158.7,108.88 158.25,108.42 147.6,108.42 129.88,90.7 106,90.7 105.8,90.5 U1.T42
WE_N44: length 76.2
  TOP w0.127: U1.U32 v1(96,90)
  SIGNAL_L5 w0.081: v1(96,90) 96.3,90.3 96.46,90.3 96.49,90.34 96.81,90.34 96.85,90.37 105.44,90.37 105.48,90.33 132.5,90.33 154.38,112.22 159.36,112.22 159.65,111.93 159.65,111.43 159.48,111.25 158.41,111.25 J3.H14
WE_N45: length 93.7
  TOP w0.127: U1.U34 v1(98,90)
  SIGNAL_L3 w0.081: v1(98,90) 98.34,90.34 98.78,90.34 98.81,90.37 105.35,90.37 105.38,90.34 141.6,90.34 144.27,93 144.27,94.5 v1(144.51,94.74)
  BOTTOM w0.102: J3.G13 159.68,109.98 160.64,109.98 160.96,110.3 160.96,110.79 161.43,111.25 164.58,111.25 165.07,110.76 165.07,96.2 164.57,95.69 144.54,95.69 144.26,95.41 144.26,95 v1(144.51,94.74)
WE_N46: length 74.7
  TOP w0.127: U1.U36 v1(100,90)
  SIGNAL_L12 w0.081: v1(100,90) 100.33,90.33 100.77,90.33 100.8,90.37 100.84,90.37 100.85,90.37 105.3,90.37 105.34,90.33 126.83,90.33 146.17,109.68 162.13,109.68 162.52,110.07 162.52,110.79 162.05,111.27 160.93,111.27 J3.F14
WE_N47: length 71.4
  TOP w0.127: U1.U40 v1(104,90)
  BOTTOM w0.102: 161.74,110.47 162.23,109.97 163.33,109.97 163.78,109.52 163.78,108.88 163.32,108.42 144.52,108.42 126.45,90.35 106.83,90.35 106.8,90.38 104.84,90.38 104.78,90.32 104.32,90.32 v1(104,90)
WE_N48: length 62
  TOP w0.102: U1.U42 105.8,89.5 106,89.7 131.56,89.7 147.74,105.88 156.97,105.88 157.43,106.34 157.43,106.98 156.96,107.44 155.87,107.44 J3.K11
WE_N49: length 79
  TOP w0.127: U1.V32 v1(96,89)
  SIGNAL_L3 w0.081: J3.J10 156.17,106.17 154.91,106.17 153.79,105.05 153.79,90.49 150.96,87.66 106.77,87.66 106.74,87.63 96.74,87.63 96.63,87.74 96.63,88.15 96.76,88.28 96.76,88.63 96.39,89 v1(96,89)
WE_N50: length 90.5
  TOP w0.127: U1.V34 v1(98,89)
  SIGNAL_L3 w0.081: v1(151.27,97.94) 151.03,98.18 150.7,98.18 141.84,89.32 105.73,89.32 105.67,89.39 105.55,89.39 105.49,89.32 105.43,89.32 105.38,89.37 104.85,89.37 104.84,89.36 104.16,89.36 104.15,89.37 103.85,89.37 103.84,89.36 103.16,89.36 103.15,89.37 102.85,89.37 102.84,89.36 102.16,89.36 102.15,89.37 101.85,89.37 101.84,89.36 101.16,89.36 101.15,89.37 100.85,89.37 100.84,89.36 100.16,89.36 100.15,89.37 99.85,89.37 99.84,89.36 99.16,89.36 99.15,89.37 98.85,89.37 98.84,89.36 98.82,89.36 98.79,89.33 98.33,89.33 v1(98,89)
  SIGNAL_L12 w0.081: J3.H11 158.39,107.46 165.86,107.46 166.34,106.98 166.34,98.64 165.94,98.25 155.22,98.25 155.15,98.18 151.51,98.18 v1(151.27,97.94)
WE_N51: length 71.8
  TOP w0.127: U1.V36 v1(100,89)
  SIGNAL_L12 w0.081: v1(100,89) 100.33,89.33 100.77,89.33 100.8,89.37 100.84,89.37 100.85,89.37 105.3,89.37 105.34,89.33 128.68,89.33 143.94,104.6 160.79,104.6 161.25,105.06 161.25,105.74 160.81,106.19 159.66,106.19 J3.G10
WE_N52: length 71.6
  TOP w0.127: U1.V38 v1(102,89)
  BOTTOM w0.102: J3.F11 160.95,107.44 162.04,107.44 162.51,106.98 162.51,106.24 162.13,105.86 143.17,105.86 126.66,89.35 105.52,89.35 105.49,89.38 102.84,89.38 102.78,89.32 102.32,89.32 v1(102,89)
WE_N53: length 68.3
  TOP w0.102: 161.74,106.66 162.22,106.17 163.31,106.17 163.78,105.71 163.78,104.95 163.44,104.61 150.38,104.61 134.47,88.7 106,88.7 105.8,88.5 U1.V42
WE_N54: length 86.6
  TOP w0.127: U1.W32 v1(96,88)
  SIGNAL_L3 w0.081: v1(96,88) 95.67,87.67 95.67,87.46 95.63,87.42 95.63,86.85 95.85,86.63 106.23,86.63 106.55,86.95 109.15,86.95 109.65,86.45 156.96,86.45 159.65,89.14 159.65,104.42 160.15,104.92 162.54,104.92 J3.D9
WE_N55: length 82.8
  TOP w0.102: J3.C11 165.08,107.12 165.08,97.47 164.58,96.96 152.62,96.96 v1(152.34,96.69)
  TOP w0.127: U1.W34 v1(98,88)
  SIGNAL_L3 w0.081: v1(152.34,96.69) 152.28,96.69 152.04,96.93 151.4,96.93 142.79,88.32 105.43,88.32 105.38,88.37 104.85,88.37 104.84,88.36 104.16,88.36 104.15,88.37 103.85,88.37 103.84,88.36 103.16,88.36 103.15,88.37 102.85,88.37 102.84,88.36 102.16,88.36 102.15,88.37 101.85,88.37 101.84,88.36 101.16,88.36 101.15,88.37 100.85,88.37 100.84,88.36 100.16,88.36 100.15,88.37 99.85,88.37 99.84,88.36 99.16,88.36 99.15,88.37 98.85,88.37 98.84,88.36 98.82,88.36 98.79,88.33 98.33,88.33 v1(98,88)
